# Allegro board RK3576_TEMPLATE_LP4XD200P132SD6_24X34_2133MHz_H1R6_V11_20240529YWQ.brd (continued)
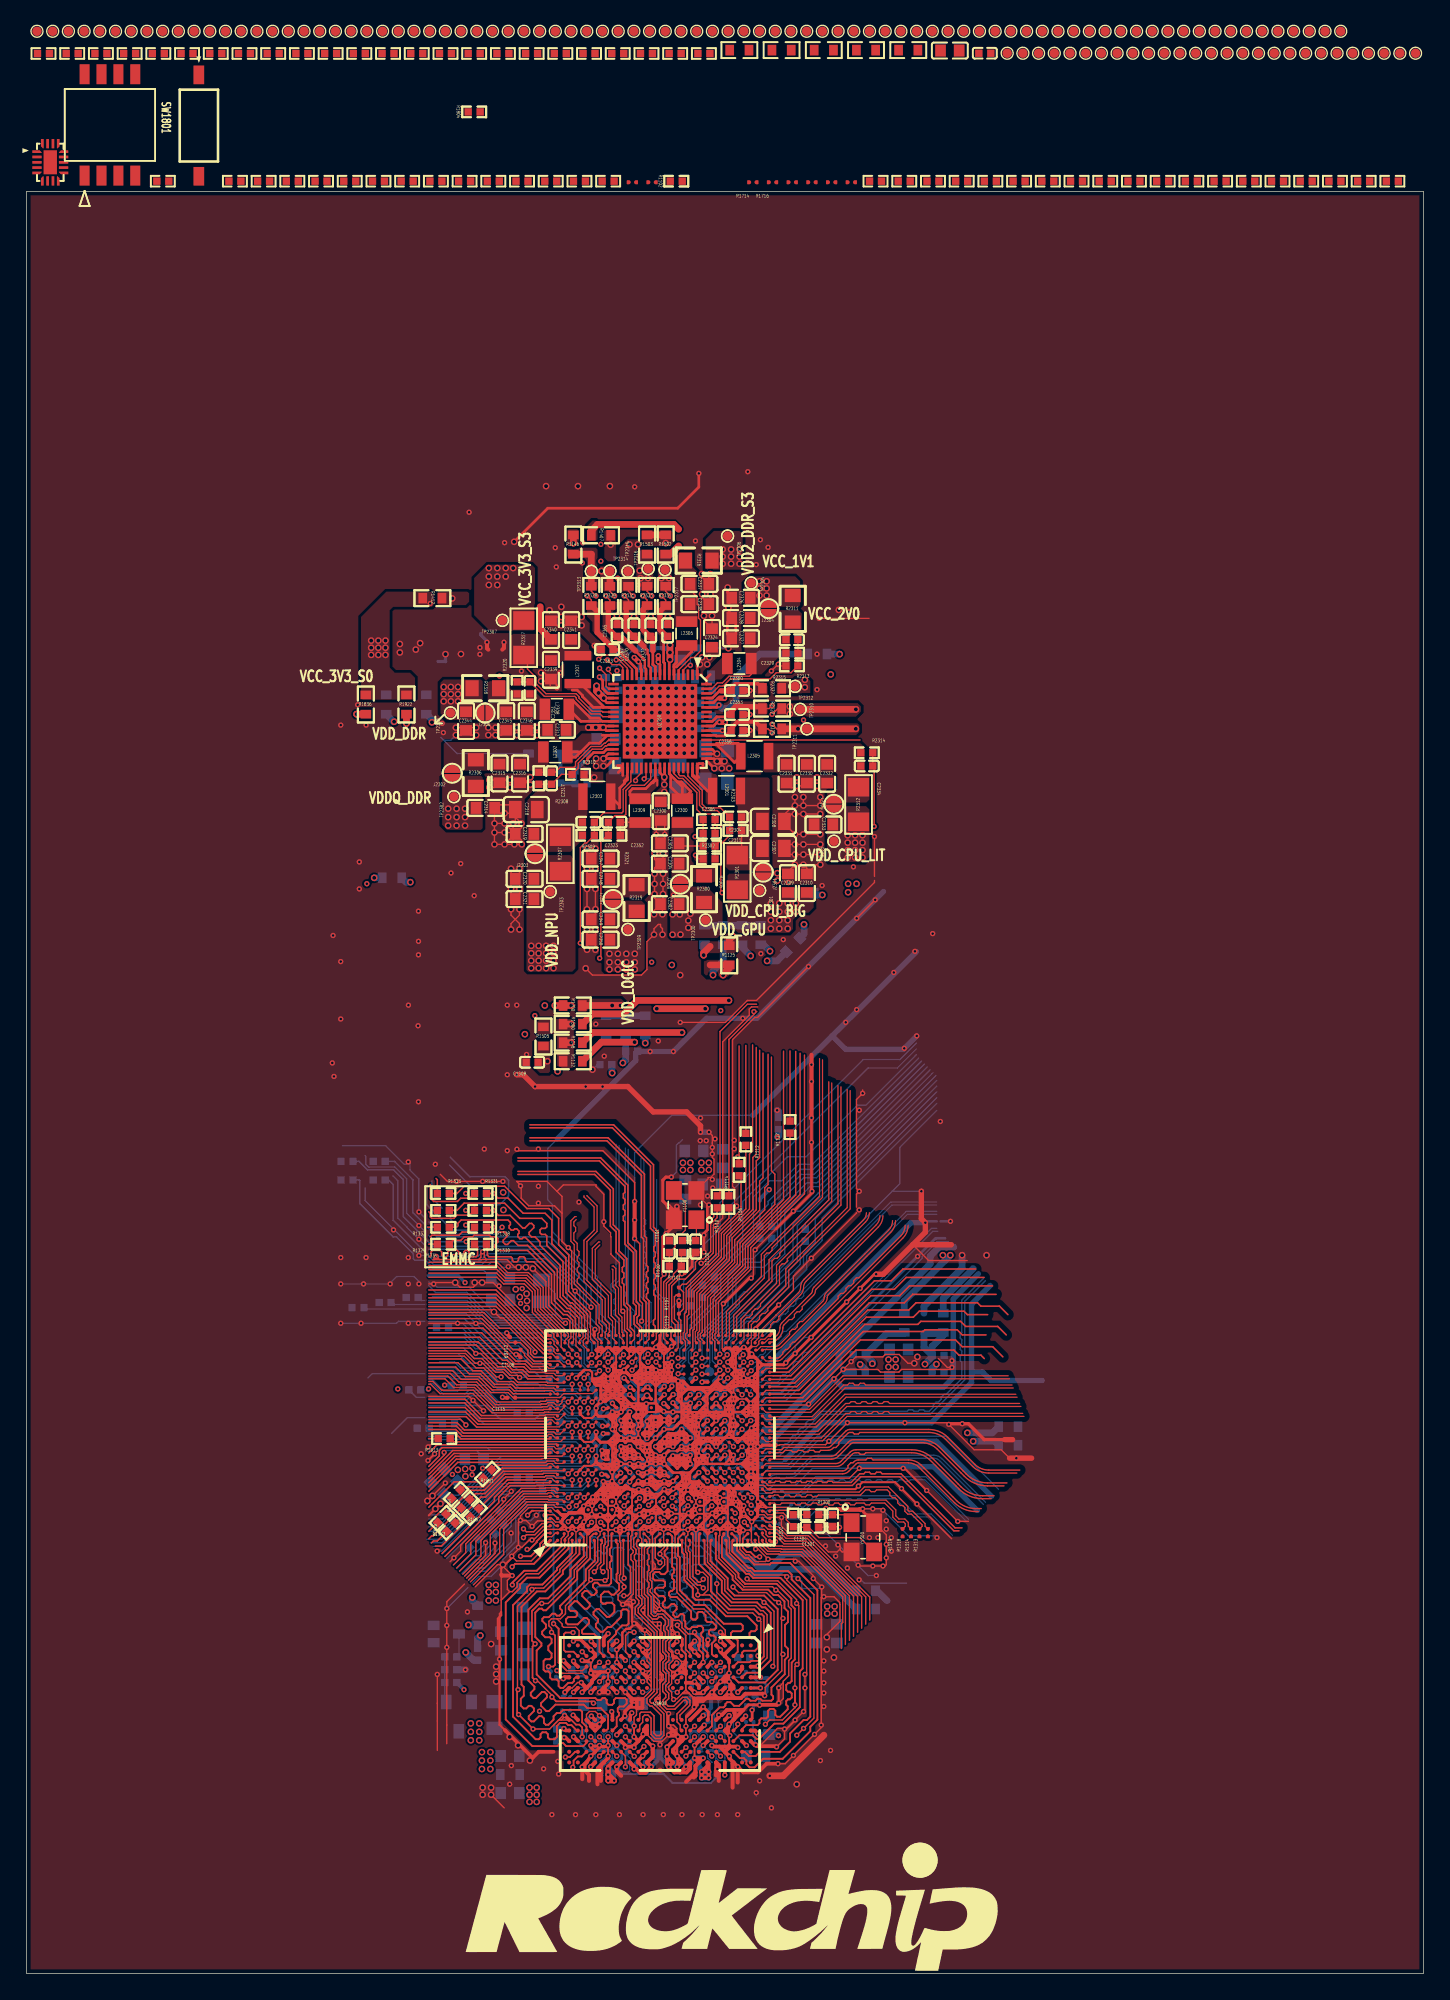
[diagram p0: board, top side]
## Routing (per net, layer and track width the routed paths; a pad name or vN(x,y) marks a point on that pad's centre or on a via; arc(x,y) is an arc through that point) (continued)
  TOP w0.196: 49.25,41.56 50.5,41.56 v1(50.52,41.58) ; 52.5,40.26 51.2,40.26 ; U1000.2K8 U1000.2L8
  TOP w0.203: U1000.A1 38.97,32.16 v1(38.96,32.16) ; 49.93,36.98 50.52,36.98 50.52,36.98 ; 50.92,35.76 U1000.1W6 50.92,36.36 U1000.1V6 ; v1(47.93,40.91) 47.92,40.9 47.92,40.89 47.62,40.59 U1000.2G7 47.62,40.58 47.29,40.25 v1(47.29,40.25) 47.29,40.25 46.97,39.94 U1000.2F6 ; 40.18,34.51 40.67,34.51 ; v1(51.85,39.61) U1000.2N6 ; v1(61.66,50.48) v1(62.67,51.5) 63.74,52.57 v1(63.88,52.57) ; 50.02,40.78 50.02,41.03 ; 50.02,40.78 49.78,41.03 ; 50.02,40.78 50.22,40.58 ; 50.02,41.03 49.78,41.03 ; 50.02,41.03 U1000.2L8 ; U1000.1AA4 U1000.1AB5 53.32,35.76 U1000.1AC5 ; U1000.1AA4 52.16,34.6 52.12,34.64 v1(52.12,34.65) ; U1000.1AA4 52.72,34.56 ; U1000.2D6 45.35,40.26 v1(45.35,40.26) 45.35,40.26 U1000.2C6 v1(44.7,40.26) ; U1000.2D6 45.67,39.94 v1(46,40.26) ; U1000.2D6 45.67,39.93 v1(46,39.61) 46.32,39.28 U1000.2E5 ; v1(54.48,52.27) 54.34,52.27 52.41,50.35 v1(52.39,50.35) ; v1(44.93,33.36) U1000.1H1 v1(44.33,33.36) U1000.1H2 v1(44.93,33.36) ; v1(44.93,33.36) U1000.1J2 ; v1(43.36,36.98) 43.43,36.98 U1000.2A1 ; 54.97,37.79 U1000.2V3 ; 61.36,34.92 61.13,34.92 ; 61.36,34.92 61.24,34.81 ; 61.36,34.92 62.61,34.92 62.65,34.96 ; 61.13,34.92 61.09,34.96 60.11,34.96 v1(60.11,34.96) ; 61.13,34.92 61.24,34.81 ; v1(50.52,36.44) 50.4,36.44 U1000.1U6 ; U1000.1W5 50.92,35.16 ; v1(46,38.31) U1000.2E3 C1207.2 v1(46.65,38.31) U1000.2F4 v1(47.3,38.31) ; 53.65,34.83 U1000.1AC4 ; U1000.1AC4 v1(53.92,35.16) U1000.1AC5 ; U1000.1AC4 53.33,35.15 v1(53.33,35.25) 53.41,35.25 U1000.1AC5 ; v1(54.53,44.76) U1000.1AE20 ; v1(54.53,44.76) U1000.1AD20 ; v1(54.53,44.76) U1000.1AE21 ; U1000.1N24 U1000.T28 47.68,47.41 48.02,47.06 ; U1000.1N24 47.92,46.56 ; U1000.1N24 U1000.1P24 ; U1000.1N24 47.42,47.06 ; 49.25,41.56 49.09,41.4 ; C2327.2 52.82,100.18 52.82,99.68 v2(52.77,99.63) ; C2327.2 52.69,100.7 52.69,101.58 C2328.2 ; C2327.2 53.33,100.69 53.33,101.59 C2328.2 ; U1000.1P24 48.5,47.13 v1(48.5,47.13) ; U1000.1P24 48.02,47.06 ; 53.89,19.81 54.28,20.19 55.09,20.19 v1(55.12,20.17) ; 49.78,41.03 U1000.2K8 ; 47.42,47.06 48.02,47.06 ; 47.42,47.06 v1(47.32,47.06) ; v2(36.66,107.63) 39.19,110.16 48.96,110.16 50.55,111.75 v1(50.55,112.78) ; v1(48.48,34.58) 48.48,34.6 U1000.1P4 ; 54.45,38.96 54.84,38.96 54.97,38.83 ; 49.15,37.65 49.3,37.49 49.3,37.06 ; U1000.1H6 44.9,36.33 44.9,36.34 ; 44,40.2 44.1,40.2 U1000.2B6 U1000.2A6 44,40.2 ; 44,40.2 U1000.2B7 ; 56.35,55.98 57.65,57.28 v1(57.65,57.31) 57.68,57.31 59.05,58.68 v1(59.05,58.8) 59.02,58.84 v1(59.02,62.48) v1(59.02,64.32) ; U1000.2U3 U1000.2V4 ; v1(54.45,39.61) U1000.2V5 54.97,39.09 ; U1000.2V1 54.48,36.98 v1(54.48,37.09) 54.53,37.09 54.77,37.33 ; 48.89,16.37 48.89,17.11 ; 50.92,34.56 U1000.1W3 51.52,34.56 ; U1000.1AB2 52.72,33.96 ; U1000.1AB2 52.72,33.36 ; U1000.1AB2 v1(53.32,33.36) ; v1(54.83,48.46) 54.83,48.55 v1(56.55,50.26) ; v1(56.31,32.46) 55.97,32.46 U1000.AL1 ; 48.95,16.31 48.95,15.56 ; U3800.J1 49.31,24.72 49.31,25.14 48.93,25.52 v1(48.92,25.52) ; U1000.2E9 v1(46,41.56) U1000.2E8 ; v1(52.12,34.65) 52.09,34.62 52.09,34.52 U1000.1Y3 51.56,34.52 v1(51.56,34.6) U1000.1Y4 52.03,34.65 v1(52.12,34.65) ; 48.97,17.74 48.97,17.18 ; v2(52.72,104.2) 52.72,103.85 53.02,103.55 C2326.2 53.02,103.3 52.82,103.1 52.82,102.73 v2(52.77,102.68) 52.82,102.63 52.82,102.1 C2328.2 ; U1000.AK25 55.08,45.51 55.04,45.51 54.99,45.46 ; 61.24,34.81 62.7,34.81 62.72,34.78 v1(62.87,34.92) 62.83,34.96 62.65,34.96 ; v1(48.99,44.53) 48.3,44.53 ; 49.3,37.06 U1000.2K2 ; 49.3,37.06 U1000.2J1 48.68,36.44 v1(48.63,36.44) ; 49.3,37.06 49.3,36.96 U1000.2K1 ; v1(51.31,57.78) 51.19,57.66 51.19,55.9 50.93,55.64 v1(50.93,55.5) v1(50.93,54.23) 50.34,54.23 C1100.2 50.04,53.93 50.04,53.15 49.49,52.6 v1(49.27,52.6) ; 46.65,42.21 46.6,42.26 46.6,42.81 ; U1000.1AC21 v1(53.92,44.76) ; U1000.A29 39.18,47.96 v1(39.04,48.1) ; 48.99,41.3 U1000.2J8 48.92,41.23 48.6,40.91 ; 62.65,34.96 Y1300.4 ; v1(53.32,33.36) U1000.1AC1 ; v1(53.32,33.36) 53.83,33.36 v1(53.88,33.31) 53.88,33.4 U1000.1AC2 v1(53.32,33.36) ; v1(48.53,33.36) U1000.1P2 47.92,33.36 v1(47.9,33.38) U1000.1N2 ; v1(41.33,37.56) U1000.1C9
  TOP w0.229: 50.55,38.31 U1000.2M4 ; 50.55,38.31 U1000.2L4 50.26,38.63 v1(50.55,38.92) ; 50.55,38.31 U1000.2L3 49.86,37.62 ; U1000.2M4 51.17,38.93 v1(51.2,38.93) ; U1000.2M4 50.58,38.93 ; U1000.2M4 51.2,38.31 ; 54.53,44.16 54.77,43.91 U1000.2V12 ; 54.53,44.16 U1000.1AE20 ; 54.53,44.16 U1000.1AD20 ; 54.53,44.16 54.84,44.16 54.97,44.03 ; U1000.1T20 49.42,44.33 49.25,44.16 ; U1000.1T20 49.35,44.53 v1(48.99,44.53) ; U1000.1T20 49.84,44.04 ; 50.22,39.28 50.54,39.6 v1(50.54,39.61) ; 50.22,39.28 U1000.2L5 50.55,38.96 ; 50.22,39.28 49.9,39.61 ; v1(52.12,35.16) U1000.1Y4 ; v1(52.12,35.16) U1000.1AA4 ; v1(52.12,35.16) U1000.1Y5 ; v1(42.48,34.52) 42.49,34.52 ; 42.49,34.52 U1000.1D3 ; 42.49,34.52 42.51,34.52 ; 47.33,33.36 U1000.1M1 46.77,33.31 v1(46.77,33.31) ; 47.33,33.36 U1000.1M2 ; 47.33,33.36 U1000.1N2 47.33,33.96 U1000.1M2 ; U1000.1AC4 v1(53.92,34.56) ; v1(53.92,34.56) U1000.1AD3 v1(54.53,33.96) U1000.1AE3 54.97,34.4 54.97,34.72 ; v1(53.92,34.56) U1000.1AC3 53.65,34.28 ; 48.45,47.69 48.45,47.68 U1000.V28 48.72,47.36 v1(48.5,47.13) ; U1000.1AC1 53.88,33.31 v1(53.88,33.31) ; U1000.AK6 55.18,35.46 v1(54.99,35.46) ; U1000.AK6 55.02,35 54.97,35 ; U1000.AK6 55.6,35.03 ; v1(46.73,35.76) U1000.1L5 ; v1(46.73,35.76) U1000.1M6 ; v1(46.73,35.76) U1000.1L6 ; U1000.1D3 v1(41.91,33.95) U1000.1C2 ; U1000.1D3 41.86,34.62 ; 54.97,35 54.97,34.72 ; 54.97,35 U1000.1AE4 54.97,34.72 ; 54.97,35 54.97,35.43 v1(54.99,35.46) ; 43.13,44.76 U1000.1F21 43.73,44.76 ; 43.13,44.76 43.07,44.7 ; 43.13,44.76 U1000.1F20 ; 44.05,37.68 44.05,37.66 U1000.2B3 ; 44.05,37.68 v1(44.02,37.68) U1000.2A3 ; 44.05,37.68 44.05,38.31 ; U1000.1G6 44.37,36.41 U1000.2B1 ; U1000.1G6 44.03,36.06 ; U1000.1G6 43.73,36.36 ; U1000.1G6 44.27,35.81 ; U1000.1G6 43.78,35.81 ; U1000.2M12 50.88,43.83 ; 50.88,43.83 50.66,44.05 ; 50.88,43.83 51.2,43.51 ; U1000.1K20 46.13,44.76 ; U1000.1K20 46,44.28 46.25,44.28 U1000.1L20 ; U1000.1K20 v1(45.53,44.76) ; 46.13,44.76 U1000.1L20 ; 46.13,44.76 U1000.1K21 ; 46.13,44.76 U1000.1L21 ; 44.05,39.61 U1000.2A6 43.15,39.93 U1000.1E13 v1(42.83,40.7) ; 44.05,39.61 U1000.2B5 44.05,38.96 U1000.2B4 ; 44.05,39.61 U1000.2B6 ; v1(44.37,34.6) 44.3,34.53 U1000.1G3 ; v1(44.37,34.6) 44.37,34.6 U1000.1H4 ; v1(44.37,34.6) 44.37,34.51 U1000.1H3 44.88,34.51 v1(44.88,34.6) ; 44.33,45.96 U1000.1G22 44.33,45.36 ; U1000.2K9 49.25,41.56 49.41,41.4 ; U1000.2K9 49.9,41.56 ; U1000.2K9 49.9,42.21 ; U1000.2K9 49.25,42.21 U1000.2K10 ; 54.48,37.03 U1000.2U1 ; U1000.2U1 54.36,36.45 ; U1000.2U1 53.89,36.45 ; 54.97,44.6 54.97,44.31 ; 54.97,44.6 54.97,44.91 ; 54.97,44.6 U1000.1AE20 ; 54.97,44.31 U1000.1AE20 ; 54.97,44.31 54.97,44.03 ; U1000.2G4 v1(47.3,38.31) ; U1000.2G4 47.94,38.95 v1(47.94,38.96) 47.98,38.99 47.98,38.99 U1000.2H5 ; U1000.2G4 v1(47.3,38.96) ; U1000.2G4 v1(47.95,38.31) U1000.2H3 48.61,37.65 ; U1000.2C1 45.13,36.58 45.21,36.58 45.41,36.38 45.49,36.38 ; U1000.2C1 44.87,36.53 44.53,36.53 ; U1000.2C1 45.03,36.46 44.9,36.34 ; U1000.1Y20 51.82,44.13 ; U1000.1Y20 51.41,44.05 51.31,44.05 ; U1000.1Y20 v1(52.17,44.8) U1000.1AA21 ; 51.82,44.13 51.88,44.13 U1000.2P12 52.41,44.07 52.59,44.07 ; 51.82,44.13 U1000.2N12 ; U1000.1H20 44.53,44.56 ; U1000.1H20 44.33,44.16 44.05,44.16 ; U1000.1H20 44.63,44.23 44.7,44.16 ; 44.53,44.56 44.53,44.96 ; 44.53,44.56 44.33,44.76 ; 53.32,44.76 U1000.1AB20 ; 53.32,44.76 U1000.1AB21 53.32,45.36 ; 53.32,44.76 U1000.1AC21 ; 53.32,44.76 U1000.1AC20 ; U1000.1AB20 52.72,44.16 ; U1000.1AB20 53.33,44.16 ; U1000.1F3 43.22,34.46 43.13,34.46 v1(43.13,34.46) 43.12,34.46 43.03,34.46 ; U1000.1F3 43.73,34.56 U1000.1G3 ; U1000.1F3 43.73,33.96 U1000.1G3 ; U1000.2E6 46.65,39.61 v1(46.65,39.56) 46.7,39.51 46.75,39.51 U1000.2F5 ; U1000.2E6 46,40.26 v1(46,40.26) ; U1000.2E6 46,39.61 v1(46,39.61) ; U1000.1L22 46.72,45.37 v1(46.73,45.37) ; U1000.1L22 46.13,45.96 ; U1000.1L22 46.13,45.36 ; 43.03,34.46 42.57,34.46 42.51,34.52 ; 43.03,34.46 U1000.1E3 42.56,34.52 42.51,34.52 ; U1000.1M4 47.33,35.16 U1000.1N4 ; U1000.1M4 47.33,34.56 47.38,34.61 ; U1000.1M4 v1(46.73,34.56) ; v1(48.48,59.87) 48.07,59.87 47.84,59.64 47.84,58.08 v1(48.26,57.66) ; U1000.1P21 48.5,45.33 v1(48.5,45.36) 48.5,45.38 U1000.1P22 ; U1000.1P21 48.52,44.76 ; U1000.1P21 47.92,44.76 ; U1000.1P21 47.92,45.36 ; 44.33,45.36 U1000.1G21 ; 44.33,45.36 U1000.1H21 ; v1(42.57,35.8) U1000.1D5 ; v1(42.57,35.8) U1000.1E6 ; v1(42.57,35.8) 42.57,35.71 U1000.1E5 ; 54.51,40.97 v1(54.51,40.99) ; 54.51,40.97 54.51,40.85 U1000.2V7 ; 54.51,40.97 U1000.2U7 ; v1(54.51,40.99) 54.61,40.89 54.97,40.89 ; v1(54.51,40.99) 54.53,40.99 U1000.2V8 54.97,41.43 ; 50.55,37.01 U1000.2L1 ; 50.55,37.01 50.52,36.98 v1(50.52,36.44) 50.63,36.44 U1000.2M1 ; 50.55,37.01 U1000.2M1 ; U1000.1AB23 53.32,45.96 U1000.1AB22 ; U1000.1AB23 U1000.1AB22 ; U1000.1AB23 53.32,46.56 ; U1000.1AB23 v1(52.72,45.96) U1000.1AB22 ; U1000.2P6 52.82,40.58 ; U1000.2P6 51.85,40.26 U1000.2N6 51.2,40.26 U1000.2M6 ; U1000.2P6 v1(51.85,39.61) ; v1(43.36,36.98) 43.36,36.6 ; 43.36,36.6 43.13,36.37 ; 43.36,36.6 43.36,36.02 v1(43.16,35.81) ; U1000.2B6 U1000.2B7 44.38,40.58 ; U1000.2B6 v1(44.7,40.26) 44.38,40.58 ; U1000.1F6 43.43,36.08 ; U1000.1F6 43.73,36.36 ; U1000.1F6 43.18,35.81 v1(43.16,35.81) ; U1000.1F6 43.73,35.76 ; 43.43,36.08 43.13,36.37 ; 43.43,36.08 43.43,36.38 U1000.2A1 ; 41.86,34.62 U1000.1C4 ; 41.86,34.62 40.79,34.62 ; 41.86,34.62 41.86,35.1 ; 42.99,38.29 U1000.1E10 v1(42.83,38.9) ; 42.99,38.29 43.3,37.98 U1000.2A3 ; 42.99,38.29 43.42,38.29 U1000.2A3 ; 44.53,36.53 44.63,36.43 U1000.1H6 ; 44.53,36.53 U1000.2B1 ; U1000.2L1 50.02,36.48 50.02,36.06 ; U1000.2L1 50.05,36.68 v1(49.72,36.36) ; U1000.2L1 50.22,36.46 U1000.1V6 ; U1000.2L1 49.93,36.98 ; U1000.1M2 46.77,33.4 v1(46.77,33.31) ; 50.44,44.05 U1000.2L12 50.01,44.04 ; 50.44,44.05 50.01,44.05 50.01,44.04 ; 50.44,44.05 50.66,44.05 ; 52.59,44.07 U1000.2R12 ; 52.59,44.07 52.63,44.07 52.72,44.16 ; v1(50.54,39.61) 50.55,39.61 U1000.2M6 ; v1(50.54,39.61) 50.55,39.61 50.55,40.26 ; v1(50.54,39.61) 50.54,39.61 U1000.2L6 ; v1(50.54,39.61) 49.9,39.61 ; U1000.1F20 42.83,44.46 ; U1000.1F20 43.18,44.21 ; U1000.1F20 43.49,44.52 ; U1000.1F20 43.43,44.13 ; 42.83,44.46 43.07,44.7 ; 42.83,44.46 42.73,44.36 42.73,44.32 42.84,44.21 43.18,44.21 ; U1000.2N9 51.85,41.56 v1(51.85,41.56) ; U1000.2N9 U1000.2P9 ; U1000.2N9 51.85,42.21 U1000.2P9 ; U1000.2N9 51.52,41.88 51.21,42.2 51.19,42.2 ; U1000.1H21 44.53,44.96 ; U1000.1H21 44.73,45.16 ; 44.53,44.96 44.33,44.76 ; v1(41.33,44.76) U1000.1C21 41.92,45.36 ; 45.83,36.09 U1000.1K6 45.53,35.76 ; 45.83,36.09 45.83,36.18 v1(46.03,36.38) 46.1,36.38 U1000.1L6 ; 45.83,36.09 45.8,36.09 45.53,36.36 45.47,36.36 ; 51.82,36.52 52.01,36.52 U1000.2P1 ; 51.82,36.52 51.82,36.51 U1000.1Y6 ; 51.82,36.52 51.69,36.52 U1000.2N1 ; 44.37,40.58 v1(44.05,40.91) U1000.2B8 44.35,41.26 44.09,41.52 ; v1(48.99,44.53) 48.99,44.42 49.25,44.16 ; v1(48.99,44.53) 48.76,44.76 48.52,44.76 ; v1(48.99,44.53) 48.92,44.47 U1000.2J12 49.25,43.51 ; 49.9,39.61 v1(49.89,39.61) 49.89,39.6 U1000.2K5 49.25,39.61 v1(49.24,39.61) 49.24,39.6 U1000.2J5 ; 49.9,39.61 U1000.2L6 ; U1000.2V7 54.97,40.39 ; U1000.2V7 54.45,40.26 ; U1000.2L8 50.55,40.91 v1(50.52,40.88) 50.22,40.58 50.55,40.26 ; U1000.2L8 50.55,41.56 ; U1000.2L8 49.9,41.56 ; U1000.1AC21 53.32,45.36 ; U1000.1AC21 v1(53.92,45.36) ; 53.32,45.36 U1000.1AB22 ; U1000.2N12 51.31,44.05 ; U1000.2N12 51.2,43.51 ; 51.31,44.05 50.66,44.05 ; 44.7,44.16 U1000.2B12 ; 44.7,44.16 U1000.2C12 U1000.2B11 ; v1(46,40.91) U1000.2E8 ; 54.97,45.2 U1000.1AE21 54.97,44.91 ; 54.97,45.2 54.97,45.45 ; 54.97,45.2 54.97,44.91 ; U1000.2V10 v1(54.45,42.86) ; U1000.2V10 54.13,41.88 U1000.2U9 53.8,42.21 U1000.2U10 ; U1000.2V10 54.97,42.34 ; U1000.2V10 54.97,42.73 ; v1(54.45,42.86) U1000.2U11 ; v1(54.45,42.86) U1000.2V11 ; v1(54.45,42.86) U1000.2U10 ; U1000.2P1 52.41,36.45 52.59,36.45 ; U1000.2P1 52.18,36.41 U1000.1Y6 ; U1000.2V3 U1000.2U4 ; U1000.2V3 54.97,38.18 ; U1000.2V3 54.53,37.74 v1(54.48,37.74) ; U1000.2B3 v1(44.7,38.31) U1000.2B4 ; U1000.2B3 44.37,37.98 44.05,38.31 ; 53.15,36.36 53.15,36.18 U1000.1AB6 ; 53.15,36.36 53.24,36.45 ; 53.15,36.36 U1000.2R1 ; 43.07,44.7 42.53,44.7 ; U1000.1D5 v1(42.52,35.16) U1000.1E5 ; U1000.1D5 v1(41.89,35.12) 41.86,35.1 ; U1000.2E10 46.65,42.21 U1000.2E9 46.33,41.88 ; U1000.2E10 46,42.86 ; U1000.2E10 46.33,42.53 ; U1000.2E10 46.6,42.81 v1(46.6,42.82) 46.59,42.81 46.05,42.81 46,42.86 ; U1000.1G20 43.78,44.71 v1(43.73,44.71) ; U1000.1G20 44.03,44.18 44.05,44.16 ; U1000.1G20 44.11,44.54 ; U1000.1G20 43.7,44.13 43.43,44.13 ; U1000.1K24 46.13,46.56 ; U1000.1K24 46.02,47.05 46.23,47.05 U1000.1L24 ; U1000.1K24 45.54,46.58 v1(45.45,46.58) ; U1000.1K24 45.63,47.05 45.42,47.05 U1000.1J24 ; 46.13,46.56 46.15,46.53 ; 46.13,46.56 U1000.1L24 ; U1000.1V6 v1(50.32,35.76) U1000.1U6 50.02,36.06 ; U1000.1V6 U1000.1W5 51.5,35.73 v1(51.5,35.73) ; 52.82,41.88 53.15,42.21 U1000.2R10 ; 52.82,41.88 U1000.2R9 ; 52.82,41.88 52.5,42.21 ; U1000.2K1 49.22,36.33 49.16,36.33 ; U1000.2K1 U1000.2J1 48.92,36.56 49.16,36.33 ; U1000.2K1 49.64,36.68 49.93,36.98 ; U1000.2K1 U1000.2K2 ; U1000.2K1 49.58,36.5 v1(49.72,36.36) ; 51.19,42.2 51.18,42.18 ; 51.19,42.2 51.2,42.21 U1000.2M10 ; v1(54.48,37.74) 54.13,37.38 U1000.2U2 ; v1(54.48,37.74) 54.77,37.44 U1000.2V2 ; v1(54.48,37.74) 54.37,37.74 U1000.2U3 ; 54.99,45.46 54.99,45.46 54.97,45.45 ; v1(53.15,41.56) U1000.2R8 v1(53.15,40.91) ; v1(53.15,41.56) U1000.2T8 v1(53.15,40.91) ; v1(53.15,41.56) U1000.2R9 ; v1(54.99,35.46) 54.97,35.48 54.97,35.92 ; U1000.2R10 52.5,42.21 52.5,42.21 ; U1000.2R10 v1(52.5,42.86) U1000.2R11 ; U1000.2R10 v1(53.15,42.86) ; U1000.2A1 43.73,36.36 ; U1000.2A1 44.03,36.98 v1(44.03,37.01) ; U1000.2A1 44.35,36.06 U1000.1H6 ; v1(43.13,33.36) U1000.1E2 42.48,33.32 42.48,33.32 42.48,33.31 U1000.1D1 U1000.1C2 ; 54.97,38.44 54.97,38.83 ; 54.97,38.44 54.97,38.18 ; 54.97,38.44 U1000.2V4 ; 54.97,38.83 U1000.2V4 ; 54.97,38.83 54.97,39.48 ; 44.27,35.81 v1(44.33,35.81) 44.38,35.81 U1000.1H6 ; 44.27,35.81 43.78,35.81 ; 54.97,38.18 54.97,37.53 ; U1000.1AC20 53.93,44.16 U1000.1AD20 ; U1000.1AC20 v1(53.92,44.76) U1000.1AD20 ; U1000.1AC20 53.33,44.16 ; U1000.1W6 51.22,36.5 51.18,36.54 ; U1000.1W6 51.5,35.79 v1(51.5,35.73) ; U1000.1W6 51.52,36.36 ; U1000.2R1 52.82,36.26 ; U1000.2R1 52.59,36.45 ; 52.82,36.26 U1000.1AB6 ; 52.82,36.26 52.63,36.45 52.59,36.45 ; 52.5,42.21 52.18,41.89 U1000.2P9 ; 52.5,42.21 52.5,42.21 ; v1(45.45,46.58) 45.45,46.49 U1000.1J23 ; v1(45.45,46.58) 45.45,46.63 U1000.1J24 ; U1000.1A2 40.15,33.38 ; U1000.1A2 v1(40.72,33.36) U1000.1B2 v1(41.32,33.36) U1000.1C2 ; U1000.1A2 40.15,33.93 40.29,34.08 40.29,34.13 U1000.1A3 ; 50.53,42.18 U1000.2M10 ; 50.53,42.18 50.57,42.18 ; 50.53,42.18 U1000.2L9 ; U1000.2M10 51.2,42.86 50.88,43.18 ; 54.97,45.45 54.97,46.11 ; U1000.1E5 43.16,35.79 ; 43.16,35.79 43.16,35.72 U1000.1F5 ; 43.16,35.79 v1(43.16,35.81) ; 47.87,34.61 47.94,34.54 v1(47.97,34.54) ; 47.87,34.61 U1000.1N4 ; 47.87,34.61 47.38,34.61 ; v1(43.16,42.99) 42.83,42.66 v1(42.83,42.5) U1000.1E16 43,41.88 U1000.2A9 ; v1(43.16,42.99) 43.18,43.02 43.18,44.21 ; v1(43.16,42.99) 43.54,42.99 U1000.2A11 ; 51.18,42.18 50.88,41.88 ; 51.18,42.18 50.57,42.18 ; 50.87,41.88 50.58,41.58 v1(50.52,41.58) 50.55,41.56 ; 50.87,41.88 50.57,42.18 ; U1000.T29 U1000.T28 47.32,47.11 v1(47.32,47.06) 47.23,47.06 U1000.1M24 46.89,47 46.56,47 U1000.1L24 ; 44.09,41.52 44.09,41.6 ; 44.09,41.52 44.01,41.6 ; v1(54.97,39.61) 54.97,39.48 ; v1(54.97,39.61) 55.23,39.61 U1000.AK14 U1000.AL14 v1(56.26,39.71) ; v1(54.97,39.61) 54.97,39.74 ; 54.97,39.48 U1000.2V5 54.45,38.96 ; v1(44.03,37.01) 44.05,36.98 44.05,36.63 U1000.1H6 ; v1(44.02,37.01) 44.05,37.01 U1000.2B1 ; v1(43.05,46.56) 43.04,46.55 43.04,46.47 U1000.1E23 ; v1(43.05,46.56) 43.05,46.63 U1000.1E24 43.02,47.05 43.23,47.05 U1000.1F24 ; v1(43.05,46.56) 43.12,46.56 U1000.1F24 ; 51.5,35.73 51.55,35.73 U1000.1Y5 ; 51.5,35.73 U1000.1Y6 ; 51.5,35.73 v1(51.5,35.73) ; U1000.2R12 v1(53.15,43.51) ; U1000.2R12 53.15,44.16 ; 49.86,37.62 U1000.2K2 ; 49.86,37.62 49.86,37.05 ; U1000.2K2 49.86,37.05 ; 46.13,45.36 U1000.1K21 ; 46.13,45.36 U1000.1L21 ; U1000.2P9 52.25,41.96 52.75,41.96 U1000.2R9 ; U1000.2P9 51.85,41.56 v1(51.85,41.56) ; v1(46.65,38.96) 46.65,38.96 ; v1(46.65,38.96) 46.65,38.96 ; v1(46.65,38.96) U1000.2E5 46.97,39.93 U1000.2F6 ; 46.65,38.96 U1000.2F4 v1(47.3,38.96) ; 46.65,38.96 U1000.2F5 ; U1000.2U2 U1000.2V2 ; U1000.2U2 54.37,37.09 v1(54.48,37.09) ; U1000.2V2 54.97,37.53 ; U1000.2V2 54.97,37.14 ; U1000.1T6 49.13,35.76 U1000.1T5 49.13,35.16 ; U1000.1T6 49.16,36.33 ; U1000.1T6 49.67,36.31 49.68,36.31 v1(49.72,36.36) ; U1000.2B12 44.05,44.16 ; U1000.2B12 44.05,43.51 ; U1000.2B12 U1000.2C11 ; U1000.2B12 44.37,44.27 44.11,44.54 ; 44.05,44.16 U1000.2A12 ; U1000.1M6 46.71,36.37 v1(46.69,36.37) 46.66,36.4 46.65,36.4 46.43,36.17 U1000.1L6 ; U1000.1M6 47.33,35.76 U1000.1N6 47.62,36.06 47.95,36.39 47.95,36.4 v1(47.95,36.4) 47.95,36.33 U1000.1P6 48.25,36.06 v1(48.63,36.44) ; 51.18,36.54 51.02,36.54 U1000.2M1 ; 51.18,36.54 51.38,36.54 U1000.2N1 ; U1000.1K3 v1(46.08,34.51) ; U1000.1K3 U1000.1J4 ; U1000.1K3 U1000.1J2 45.53,33.36 ; v1(46.08,34.51) U1000.1L4 v1(46.73,34.56) ; v1(46.08,34.51) 46.17,34.51 U1000.1L3 v1(46.73,34.56) ; U1000.1G24 44.22,47.05 44.43,47.05 U1000.1H24 ; U1000.1G24 43.83,47.05 43.62,47.05 U1000.1F24 ; U1000.1G24 44.33,46.56 U1000.1H24 ; 48.98,43.88 49.25,44.16 ; 49.25,44.16 49.25,44.16 ; v1(44.88,34.6) 44.88,34.6 U1000.1H4 ; v1(44.88,34.6) 44.97,34.6 U1000.1J4 ; U1000.2U6 54.45,40.26 ; U1000.2U6 v1(54.45,39.61) ; U1000.2U6 53.8,40.26 ; 54.45,40.26 54.97,40.26 ; 54.45,40.26 54.45,40.26 ; 54.45,40.26 U1000.2V6 ; 54.45,40.26 54.45,40.26 ; 50.01,44.04 49.84,44.04 ; 49.84,44.04 49.79,44.04 U1000.2K12 ; 44.05,38.31 U1000.2A3 ; 44.05,38.31 U1000.2B4 ; U1000.2C10 v1(44.7,42.21) 44.38,41.88 ; U1000.2C10 45.35,42.86 ; U1000.2C10 44.7,42.86 ; 53.8,40.26 U1000.2T6 52.83,40.58 ; 53.8,40.26 U1000.2U7 ; 53.8,40.26 54.45,40.26 ; 49.25,44.16 U1000.2K12 ; 53.15,44.16 53.33,44.16 ; 53.15,44.16 52.72,44.16 ; 50.02,36.06 v1(49.72,36.36) ; 54.36,36.45 53.89,36.45 ; 54.36,36.45 54.45,36.36 ; 53.89,36.45 53.71,36.45 ; U1000.1T3 v1(49.77,34.6) ; U1000.1T3 U1000.1R2 ; U1000.1T3 49.13,34.56 ; 54.97,37.14 54.97,37.53 ; 54.97,37.14 54.97,36.88 54.97,36.87 ; U1000.2K10 U1000.2J11 49.25,43.51 ; U1000.2K10 v1(49.91,42.87) ; U1000.2K10 49.9,42.21 ; 46.73,44.76 U1000.1L21 ; 46.73,44.76 U1000.1M21 ; 46.73,44.76 U1000.1L20 ; 46.73,44.76 U1000.1M20 ; U1000.1L21 46.73,45.36 ; U1000.1M21 v1(47.33,45.36) ; U1000.1M21 46.73,45.36 ; U1000.1M21 47.33,44.76 ; v1(47.33,45.36) U1000.1N21 ; v1(47.33,45.36) U1000.1M22 46.73,45.37 v1(46.73,45.37) ; v1(56.16,48.24) U1000.AL29 ; U1000.1N20 47.92,44.76 ; U1000.1N20 47.33,44.76 ; U1000.1N20 47.33,44.16 U1000.1M20 ; 49.9,41.56 U1000.2L9 ; 49.9,41.56 U1000.2K8 49.41,41.4 ; 44.05,43.51 U1000.2A11 ; 44.05,43.51 U1000.2A12 ; 44.05,43.51 U1000.2B11 ; v1(53.33,35.25) 53.24,35.25 U1000.1AB5 52.72,35.76 U1000.1AB6 ; 49.25,43.51 U1000.2K12 ; U1000.B5 U1000.1A3 ; 54.97,40.26 54.97,39.74 ; 54.97,40.26 54.97,40.39 ; U1000.1K21 v1(45.53,44.76) ; 52.83,40.58 v1(53.15,40.91) ; 43.49,44.52 43.73,44.29 U1000.2A12 ; 43.49,44.52 43.67,44.71 v1(43.73,44.71) ; U1000.2F5 v1(47.3,38.96) ; 46,42.21 U1000.2D10 ; 46,42.21 v1(46,42.21) ; 46,42.21 46,42.86 ; U1000.2D10 45.35,42.86 ; U1000.2D10 46,42.86 ; U1000.2R11 v1(53.15,42.86) ; U1000.2R11 v1(53.15,43.51) ; v1(53.15,42.86) U1000.2T11 v1(53.15,43.51) ; v1(44.93,45.36) 44.95,45.36 45.15,45.16 ; v1(44.93,45.36) 44.73,45.16 ; v1(44.93,45.36) U1000.1J22 ; U1000.1C4 41.41,34.65 40.81,34.65 40.79,34.62 ; U1000.1C4 41.86,35.1 ; v1(46,42.21) U1000.2D9 v1(46,41.56) v1(46,42.21) ; v1(46,42.21) 46.33,42.53 ; v1(46,42.21) 46.33,41.88 ; 54.97,44.03 54.97,43.64 ; 54.97,44.03 U1000.2V12 ; U1000.1Y6 v1(52.12,35.76) U1000.1Y5 ; U1000.1Y6 51.52,36.36 ; 54.45,40.26 U1000.2U7 ; 44.38,41.88 U1000.2B9 44.09,41.6 ; 44.38,41.88 43.73,41.88 ; 44.38,41.88 v1(44.05,42.21) 43.73,41.88 ; 54.97,42.34 54.97,42.73 ; 54.97,42.34 54.97,42.08 ; 54.45,36.36 U1000.2V1 54.97,36.87 ; 54.45,36.36 54.61,36.2 54.69,36.2 U1000.1AE6 54.97,35.92 ; 40.79,34.62 U1000.1A3 ; 54.97,46.11 U1000.1AE23 v1(54.53,46.56) ; 54.97,46.11 U1000.AK25 U1000.AL25 56.93,45.76 v1(57.09,45.91) v1(57.78,46.61) v1(58.99,47.82) v1(61.66,50.48) ; 49.9,42.21 U1000.2L9 ; 43.73,44.76 v1(43.73,44.71) ; 43.73,44.76 U1000.1G21 ; v1(43.16,35.81) 43.07,35.81 U1000.1E6 ; v1(53.32,35.69) 53.32,35.76 U1000.1AB6 ; 54.97,36.87 54.97,35.92 ; 47.38,34.61 U1000.1N4 ; v1(54.45,39.61) U1000.2U5 54.45,38.96 ; v1(54.45,39.61) U1000.2V6 ; 49.93,36.98 49.86,37.05 ; 46.33,42.53 46.33,41.88 ; U1000.1H4 v1(44.33,35.16) ; 43.13,36.37 U1000.1E6 ; 50.55,41.56 U1000.2L9 ; 44.11,44.54 44.33,44.76 ; U1000.2A11 43.4,43.51 U1000.2A12 ; U1000.1N21 47.92,44.76 ; U1000.1N21 47.92,45.36 ; U1000.1N21 47.33,44.76 ; v1(47.97,34.54) 47.97,34.51 U1000.1P3 48.48,34.51 v1(48.48,34.58) 48.45,34.6 48.06,34.6 48,34.54 v1(47.97,34.54) ; v1(47.97,34.54) 47.97,34.6 U1000.1P4 ; 54.97,43.64 54.97,43.38 ; 54.97,43.64 U1000.2V12 ; 51.52,36.36 U1000.2N1 ; v1(46.73,45.37) 46.73,45.36 ; U1000.1AC24 53.41,47.07 53.24,47.07 U1000.1AB24 ; U1000.1AC24 53.32,46.56 ; U1000.1AC24 53.83,47.07 v1(53.93,47.07) 54.02,47.07 U1000.1AD24 ; U1000.1M20 47.33,44.76 ; v1(41.63,40.7) U1000.1C13 ; 44.33,44.76 U1000.1G21 ; 44.73,45.16 45.15,45.16 ; 45.15,45.16 45.23,45.08 U1000.1J21 v1(45.53,44.76) ; U1000.1J24 45.03,47.05 44.82,47.05 U1000.1H24 ; 45.35,42.86 U1000.2C11 ; v1(46.77,33.31) U1000.1L2 46.13,33.36 ; U1000.2B11 44.7,42.86 ; 44.7,42.86 U1000.2C11 ; 47.92,44.76 U1000.1P20 48.52,44.76 ; v1(49.77,34.6) 49.77,34.51 U1000.1U3 50.28,34.51 v1(50.28,34.6) 50.28,34.6 U1000.1U4 ; v1(49.77,34.6) U1000.1U4 ; U3800.W11 42.43,16.99 v1(42.43,17.14) 42.48,17.09 43.02,17.09 v1(43.08,17.14) 43.08,16.99 U3800.W11 ; U3800.W11 42.75,16.66 v1(42.43,16.34) ; 54.97,40.39 54.97,40.89 ; 54.45,38.96 U1000.2V4 ; 54.45,38.96 U1000.2U4 ; v1(54.53,46.56) U1000.1AD23 ; v1(54.53,46.56) U1000.1AD24 ; U1000.2G12 47.66,43.83 v1(47.95,44.12) ; U1000.1P22 v1(48.52,45.96) ; U1000.1P22 47.92,45.36 ; U1000.1P22 47.92,45.96 ; U1000.2A12 43.43,44.13 ; 50.88,43.18 U1000.2M11 ; 50.88,43.18 51.2,43.51 ; 49.41,41.4 49.09,41.4 48.99,41.3 ; 54.97,43.38 U1000.2V11 ; 54.97,43.38 54.97,42.99 ; v1(51.85,41.56) 51.52,41.24 U1000.2N8 ; U1000.G29 42.67,48.36 v1(42.73,48.42) ; U1000.2M6 50.55,40.26 ; U1000.2M6 U1000.2L6 ; U1000.1AB24 52.86,47.02 52.58,47.02 52.53,46.97 52.53,46.97 U1000.1AA24 ; U1000.1AB24 53.32,46.56 ; 53.71,36.45 U1000.2T1 53.24,36.45 ; 53.71,36.45 53.24,36.45 ; v1(47.93,52.58) 47.93,52.65 47.84,52.75 47.84,55.37 v1(48.09,55.63) 48.67,56.2 Y1100.4 ; U1000.1U4 v1(50.32,35.16) ; U1000.2G10 47.88,42.28 ; 47.88,42.28 47.37,42.28 ; 47.88,42.28 v1(47.91,42.25) ; U1000.1R2 49.12,33.36 U1000.1R1 v1(48.53,33.36) U1000.1R2 ; U1000.1J4 45.53,35.16 ; 44.09,41.6 44.01,41.6 ; U1000.2U10 54.77,41.88 ; 54.77,41.88 U1000.2V9 ; 54.77,41.88 54.97,41.69 ; 54.77,41.88 54.97,42.08 ; U1000.AJ29 54.77,48.4 v1(54.83,48.46) ; U1000.1V2 U1000.1W3 ; U1000.1V2 v1(50.32,33.36) U1000.1U2 v1(49.73,33.36) ; U1000.1V2 U1000.1W1 v1(51.48,33.32) U1000.1Y2 52.12,33.36 U1000.1AA2 ; v1(47.91,42.84) 47.97,42.84 U1000.2H10 ; v1(46,38.31) U1000.2D3 v1(45.35,38.31) ; 54.97,40.89 54.97,41.43 ; U1000.2V11 54.97,42.99 ; 52.72,33.36 U1000.1AA2 ; U1000.1AA2 52.72,33.96 ; U1000.2U4 U1000.2U3 ; U1000.2U4 53.8,38.31 U1000.2U3 ; 54.97,42.73 54.97,42.99 ; 50.55,40.26 U1000.2L6 ; U1000.2V6 54.97,39.74 ; 43.73,35.16 U1000.1F5 ; U1000.1F5 43.73,35.76 ; 54.97,41.69 54.97,42.08 ; 54.97,41.69 54.97,41.43 ; U1000.1AD24 54.49,47.13 ; 43.73,41.88 44.01,41.6 ; 43.78,35.81 43.73,35.76 ; U1000.1P24 47.92,46.56 ; v1(41.63,42.5) U1000.1C16 ; 47.3,42.86 47.37,42.79 47.37,42.28 ; 47.37,42.28 47.3,42.21 ; v1(51.56,34.6) 51.52,34.56
  TOP w0.254: U3800.T8 v1(44.99,19.35) 44.99,19.7 45.32,20.03 ; v1(35.78,43.31) 35.82,43.28 C1115.2 ; C1109.2 36.17,48.02 36.17,48.09 v1(36.1,48.15) ; 50.55,38.96 v1(50.55,38.92) 50.55,38.93 51.2,38.93 v1(51.2,38.93) ; 49.63,19.32 50.2,19.9 v1(50.2,20.02) ; v1(48.92,22.61) 48.92,22.74 U3800.J3 ; v1(43.73,22.74) 43.65,22.66 42.5,22.66 v1(42.42,22.59) ; 45.47,20.7 45.47,20.45 45.67,20.24 v1(45.67,20.19) 45.48,20.19 45.32,20.03 ; U3800.C5 52.89,21.21 ; 69.37,41.25 69.44,41.33 v1(70.36,41.33) 70.82,41.33 72.01,40.13 73.55,40.13 ; v1(36.8,46.54) 36.94,46.54 C1108.2 ; U3800.N11 v1(46.33,16.34) ; v1(48.28,18.59) 48.22,18.64 48.22,19.48 v1(48.28,19.53) ; 45.32,20.03 45.82,20.03 45.88,19.97 ; v1(43.08,17.14) 43.16,17.05 43.64,17.05 v1(43.72,17.14)
  TOP w0.279: 52.82,18.66 52.76,18.6 52.76,18.01 v1(52.88,17.89) 52.87,17.89 U3800.D9 52.82,18.59 52.82,18.66 ; 52.82,18.66 v1(52.82,18.74) U3800.C8 53.21,19.12 ; v1(43.72,16.34) 43.72,16.19 U3800.V12 43.39,15.86 42.96,15.43 v1(42.96,15.27) ; U3800.P10 46,17.46 ; 46,17.46 45.67,17.14 v1(45.67,16.99) 45.61,17.05 45.09,17.05 v1(45.03,16.99) 45.03,17.14 U3800.T10 ; 46,17.46 46.25,17.75 46.36,17.87 v1(46.36,17.98) ; 46,17.46 v1(45.67,17.79) ; 53.26,20.7 53.72,20.7 54.05,21.03 55.35,21.03 v1(55.5,20.88) ; 53.26,20.7 52.6,20.7 ; 53.26,20.7 v1(52.83,21.14) ; v1(52.84,16.32) 52.85,16.31 52.85,16.16 U3800.C12 v1(53.48,15.54) 53.9,15.11 54.99,15.11 55.64,15.76 v1(56.5,15.76) ; 49.57,23.39 U3800.J3 49.57,22.74 49.57,22.51 49.47,22.61 49.45,22.61 49.41,22.65 49.09,22.65 49.05,22.61 v1(48.92,22.61) 48.92,22.59 U3800.K4 ; v1(51.94,15.37) 51.85,15.46 U3800.E12 ; v1(40.42,17.74) 40.52,17.74 U3800.AB10 ; v1(52.83,21.14) 52.49,20.81 ; v1(52.83,21.14) 52.89,21.21 52.89,21.87 ; 52.49,20.81 52.6,20.7 ; 52.49,20.81 52.39,20.7 ; U3800.T3 v1(44.38,23.39) ; 52.89,21.87 53.15,21.61 U3800.C5 ; 52.89,21.87 v1(52.82,21.94) v1(52.17,21.94) 51.85,21.61 U3800.E5 v1(51.52,21.14) ; v1(40.45,19.39) 40.48,19.39 U3800.AB8 ; U3800.J12 49.25,16.01 v1(48.92,16.34) ; v1(48.97,17.79) 48.97,17.89 U3800.K9 ; v1(48.97,17.79) 49.57,17.79 v1(49.58,17.79) 49.25,17.46 U3800.J10 ; v1(48.97,17.79) 48.97,17.74 U3800.J10 ; v1(48.97,17.79) 48.89,17.87 48.34,17.87 v1(48.28,17.94) U3800.K9 ; 51.96,20.7 52.39,20.7 ; 51.96,20.7 51.09,20.7 ; 51.96,20.7 51.52,21.13 v1(51.52,21.14) ; 52.39,20.7 52.6,20.7 ; 51.09,20.7 51.05,20.67 ; 51.09,20.7 v1(51.52,21.14) ; U3800.K9 v1(48.28,18.59) ; 45.97,20.62 46.31,20.62 46.31,19.99 46.28,19.97 45.88,19.97 45.88,20.53 45.97,20.62 ; 45.97,20.62 45.54,20.62 v1(45.03,21.14) U3800.T5 ; U3800.E1 v1(52.18,24.34) 52.18,24.19 U3800.D2 ; v1(51.52,17.14) 51.61,17.05 52.11,17.05 ; 49.57,21.84 49.58,21.85 50.14,21.85 v1(50.22,21.94) 50.55,21.61 U3800.G5 ; v1(46.33,16.34) 46,16.01 U3800.P12 46,15.86 v1(46.34,15.52) ; 43.15,22.66 43.08,22.59 43.08,22.59 U3800.W4 ; v1(46.36,17.98) 46.37,17.98 46.54,18.15 ; v1(46.36,17.98) 46.39,18.01 ; 46.54,18.15 U3800.N9 ; 46.54,18.15 46.54,18.47 ; v1(52.18,25.65) 52.18,25.64 U3800.C1 52.5,24.01 U3800.D2 ; U3800.J10 48.6,16.81 U3800.K11 ; 39.62,16.66 38.51,16.66 38.05,16.2 35.95,18.3 ; 51.05,20.67 50.2,20.67 ; 51.05,20.67 50.87,20.48 50.39,20.48 ; U3800.D2 52.83,23.54 52.83,23.37 ; 42.42,22.83 v1(42.42,22.59) U3800.W4 ; 52.76,22 52.76,22.52 ; 46.39,18.01 46.41,18.03 46.41,18.34 46.54,18.47 ; 46.39,18.01 46.65,18.01 U3800.N9 ; U3800.N4 46.33,22.59 v1(46.33,22.74) U3800.P3 v1(45.68,23.39) ; v1(41.77,15.52) 41.78,15.53 41.78,15.54 41.95,15.71 ; 53.21,19.81 52.65,19.81 52.28,19.43 v1(52.04,19.43) 52.04,19.26 U3800.E8 ; 53.21,19.81 53.21,19.59 53.24,19.56 53.24,19.21 53.21,19.18 53.21,19.12 ; 53.21,19.81 53.89,19.81 53.21,19.12 ; U3800.V1 43.4,25.22 v1(43.72,25.55) ; 52.89,17.05 52.11,17.05 ; 52.89,17.05 52.82,16.99 ; 52.89,17.05 53.41,17.05 v1(53.48,16.99) ; 52.11,17.05 U3800.D11 ; U3800.Y12 v1(42.43,16.34) ; U3800.N9 46.65,18.63 46.54,18.52 46.54,18.47 ; 50.39,20.48 50.39,20.21 v1(50.2,20.02) 50.2,20.67 ; 50.39,20.48 50.2,20.67 ; U3800.P1 v1(46.33,24.34) 46.33,24.19 U3800.N2 ; v1(55.12,20.17) 55.14,20.19 56.43,20.19 v1(56.55,20.32) ; U3800.A3 54.94,23.06 v1(54.99,23.11) ; U3800.W4 42.5,22.01 42.5,21.86 U3800.Y5 v1(41.77,21.13) ; v1(46.48,25.8) 46.33,25.8 45.83,26.31 v1(45.67,26.31) ; v1(43.07,18.74) 42.98,18.74 42.91,18.67 42.59,18.67 42.51,18.74 42.42,18.74 ; v1(43.07,18.74) 43.07,18.59 U3800.W9 42.42,18.59 42.42,18.74 ; v1(43.07,18.74) U3800.V8 v1(43.07,19.39) ; v1(56.39,17.03) 56.34,17.08 54.93,17.08 v1(54.82,17.19) 54.73,17.19 U3800.A10 ; U3800.G3 v1(50.88,23.39) ; U3800.V5 43.73,21.79 v1(43.73,21.94) ; U3800.V5 v1(43.08,21.14) v1(43.73,21.14) U3800.V5 ; 42.42,18.74 U3800.Y8 ; v1(50.87,17.79) U3800.G10 v1(50.23,17.14) ; v1(41.77,23.54) 41.84,23.47 42.36,23.47 v1(42.42,23.54) U3800.W2 42.75,24.01 v1(42.42,24.34) U3800.Y1 41.64,25.12 41.25,25.12 v1(41.11,24.99) ; U3800.G8 v1(50.87,19.39) ; U3800.G12 v1(50.22,16.19) v1(50.87,16.19) U3800.G12
  TOP w0.305: 52.04,15.09 51.85,14.89 51.85,15.27 v1(51.94,15.37) ; 52.04,15.09 52.04,14.48 ; 52.04,15.09 52.07,15.11 52.07,15.65 51.85,15.86 U3800.E12 ; U3800.Y5 41.71,21.85 v1(41.71,21.87) ; 52.82,17.14 52.82,16.99 U3800.D11 v1(52.84,16.32) ; v1(36.51,29.91) 35.75,29.91 35.69,29.97 ; v1(41.77,15.52) 41.78,15.51 41.78,15.44 ; U3800.D4 v1(52.17,21.94) ; U3800.D4 v1(52.82,21.94) ; U3800.D4 v1(52.83,22.59) ; v1(59.02,64.32) v1(59.02,67.06) v1(59.02,68.33) 59.02,69.06 ; 41.95,15.28 41.78,15.44 ; 41.95,15.28 41.95,15.71 U3800.Y12 ; 41.95,15.28 42.29,14.93 42.29,14.48 ; 41.78,15.44 41.78,14.61 ; U3800.G12 50.29,15.6 50.29,15.11 ; v1(48.92,15.54) U3800.J12 ; 44.7,14.86 44.38,15.19 v1(44.38,15.54) U3800.T12 ; v1(35.9,100.08) 35.9,99.65 35.77,99.53 ; v1(53.48,15.54) 53.47,15.53 53.47,14.35 ; 50.16,14.73 50.29,14.86 50.29,15.11 ; U3800.V12 43.18,15.64 43.18,14.48 ; U3800.K11 v1(48.92,16.34) ; v1(45.72,58.04) 45.72,56.65 v1(45.72,56.64) v1(45.72,55.25) ; v1(44.38,24.34) U3800.T1 ; C1119.2 v1(49.05,50.56) ; v1(42.96,15.27) 42.93,15.24 42.93,14.22 ; U3800.AB5 v1(40.48,21.14) ; U3800.C12 53.09,15.8 53.09,13.97 ; 50.29,15.11 49.59,14.41 ; v1(40.38,23.51) 40.38,23.48 U3800.AB3 ; v1(34.62,100.08) 34.62,99.62 34.71,99.53
  TOP w0.406: C2365.2 v2(44.4,102.07) ; v1(63.88,52.57) 64.42,52.57 66.64,54.79 ; C2360.2 v1(54.38,96.46) ; 74.14,40.13 73.55,40.13 ; v1(48.9,57.66) 48.9,57.4 48.67,57.17 ; v1(67.28,58.8) 67.28,56.74 v1(67.58,56.44) 67.58,55.73 66.64,54.79 ; 75.57,38.73 v1(74.42,38.73) 73.91,38.73 ; v1(50.67,63.25) 50.67,63.73 49.63,64.77 47.12,64.77 45.21,66.67 v1(43.31,66.67) v1(42.04,66.67) v1(38.23,66.67) 37.34,67.57 v1(36.86,67.57) ; 66.64,54.79 69.54,54.79 ; C2367.2 v2(45.67,101.99) ; C2353.2 v1(54.38,94.65) ; v1(48.26,57.66) 48.67,57.25 48.67,57.17 ; C2370.2 v2(46.94,101.99) ; 48.67,57.17 Y1100.4 ; v1(42.69,99.84) 42.99,99.54 C2363.2 ; C2372.2 v2(48.21,101.99) ; C2356.2 v1(54.38,93.46)
  TOP w0.508: v1(55.88,14.86) 56.9,14.86 59.95,17.91
  L2-GND w0.102: 73.66,23.83 75.26,23.83 75.59,24.15 ; 86.92,128.18 86.92,129.58 85.85,130.65 ; 74.28,102.36 74.28,102.98 77.72,106.43
  L3-POWER w0.102: 29.29,65.2 29.29,65.35 v1(29.46,65.53) 29.29,65.71 ; 29.29,65.2 29.29,65.71 ; 29.29,65.2 29.29,57.46 v1(29.5,57.25) v1(29.5,56.23) v1(29.5,55.19) v1(29.5,53.98) 29.29,53.76 29.29,52.05 ; 41.82,84.88 37.24,84.88 v2(37.24,84.89) v2(36.68,84.89) v2(35.94,84.89) v2(35.18,84.89) 34.87,84.89 32.87,82.88 32.06,82.88 v1(31.91,82.73) 31.49,82.73 29.46,80.71 v1(29.46,79.86) 29.47,79.86 v1(29.47,77.59) 29.46,77.59 v1(29.46,76.58) 29.46,76.36 29.17,76.06 29.17,73.14 29.29,73.03 29.29,71.4 ; 41.82,84.88 v2(42.14,84.56) v2(42.77,84.56) 43.1,84.88 ; 41.82,84.88 43.1,84.88 ; 28.88,61.01 v1(28.7,61.01) ; 28.88,61.01 28.88,61.19 ; 28.88,61.01 28.88,60.83 ; v1(28.7,61.01) 28.88,60.83 ; v1(28.7,61.01) 28.88,61.19 ; 50.6,85.56 50.33,85.29 50.08,85.29 ; 50.6,85.56 51.62,86.58 51.91,86.58 52.12,86.38 52.12,85.9 v1(50.29,84.07) 50.29,84.78 50.19,84.88 43.1,84.88 ; 50.6,85.56 50.36,85.56 v1(50.27,85.47) 50.08,85.29 ; 29.29,71.4 v1(29.44,71.25) 29.29,71.1 ; 29.29,71.4 29.29,71.1 ; 29.29,52.05 v1(29.5,51.84) 29.29,51.63 ; 29.29,52.05 29.29,51.63 ; v1(30.68,39.06) 30.19,39.55 v1(30.19,39.59) 29.94,39.59 29.29,40.24 29.29,48.7 ; 28.88,48.7 28.88,40.07 29.67,39.28 v1(29.67,39.07) v1(30.18,38.56) 31.49,37.25 v1(31.49,36.87) ; 28.88,48.7 28.88,49.06 ; 28.88,48.7 v1(28.7,48.88) 28.88,49.06 ; 28.88,49.06 28.88,51.66 ; 29.29,71.1 29.29,65.71 ; v2(35.94,85.78) 36.22,85.49 37.59,85.49 37.8,85.29 50.08,85.29 ; 29.29,49.06 29.29,48.7 ; 29.29,49.06 v1(29.46,48.88) 29.29,48.7 ; 29.29,49.06 29.29,51.63 ; 28.88,60.83 28.88,54 ; 28.88,54 v1(28.7,53.82) 28.88,53.64 ; 28.88,54 28.88,53.64 ; 28.88,53.64 28.88,52.02 ; 28.88,51.66 28.88,52.02 ; 28.88,51.66 v1(28.7,51.84) 28.88,52.02 ; v2(37,53.09) 36.99,53.1 36.99,59.06 v1(37.14,59.2) 36.99,59.35 36.99,61.84 v1(36.87,61.96) 36.7,62.13 36.7,67.42 v1(36.86,67.57) 36.7,67.72 36.7,72.64 v1(36.86,72.8) 36.7,72.95 36.7,76.58 37.83,77.71 40.88,77.71 41.64,76.96 v2(42.14,76.96) 42.14,77.46 41.75,77.85 41.32,77.85 41.05,78.12 37.66,78.12 36.99,77.44 36.3,76.75 36.3,72.95 v1(36.14,72.8) 36.3,72.64 36.3,67.72 v1(36.14,67.56) 36.3,67.41 36.3,62.01 v1(36.14,61.86) 36.58,61.42 36.58,53.53 36.22,53.17 v1(36.22,53.14) 36.37,52.98 36.37,48.42 v1(36.1,48.15) ; 28.88,61.19 28.88,72.63 v1(28.71,72.8) 28.76,72.85 28.76,76.23 28.91,76.38 28.91,80.72 31.47,83.29 32.49,83.29 v1(32.64,83.44) 32.85,83.44 35.18,85.77 v2(35.18,85.78)